# Altium PCB PCB.PcbDoc (part 2 of 3) (continued)
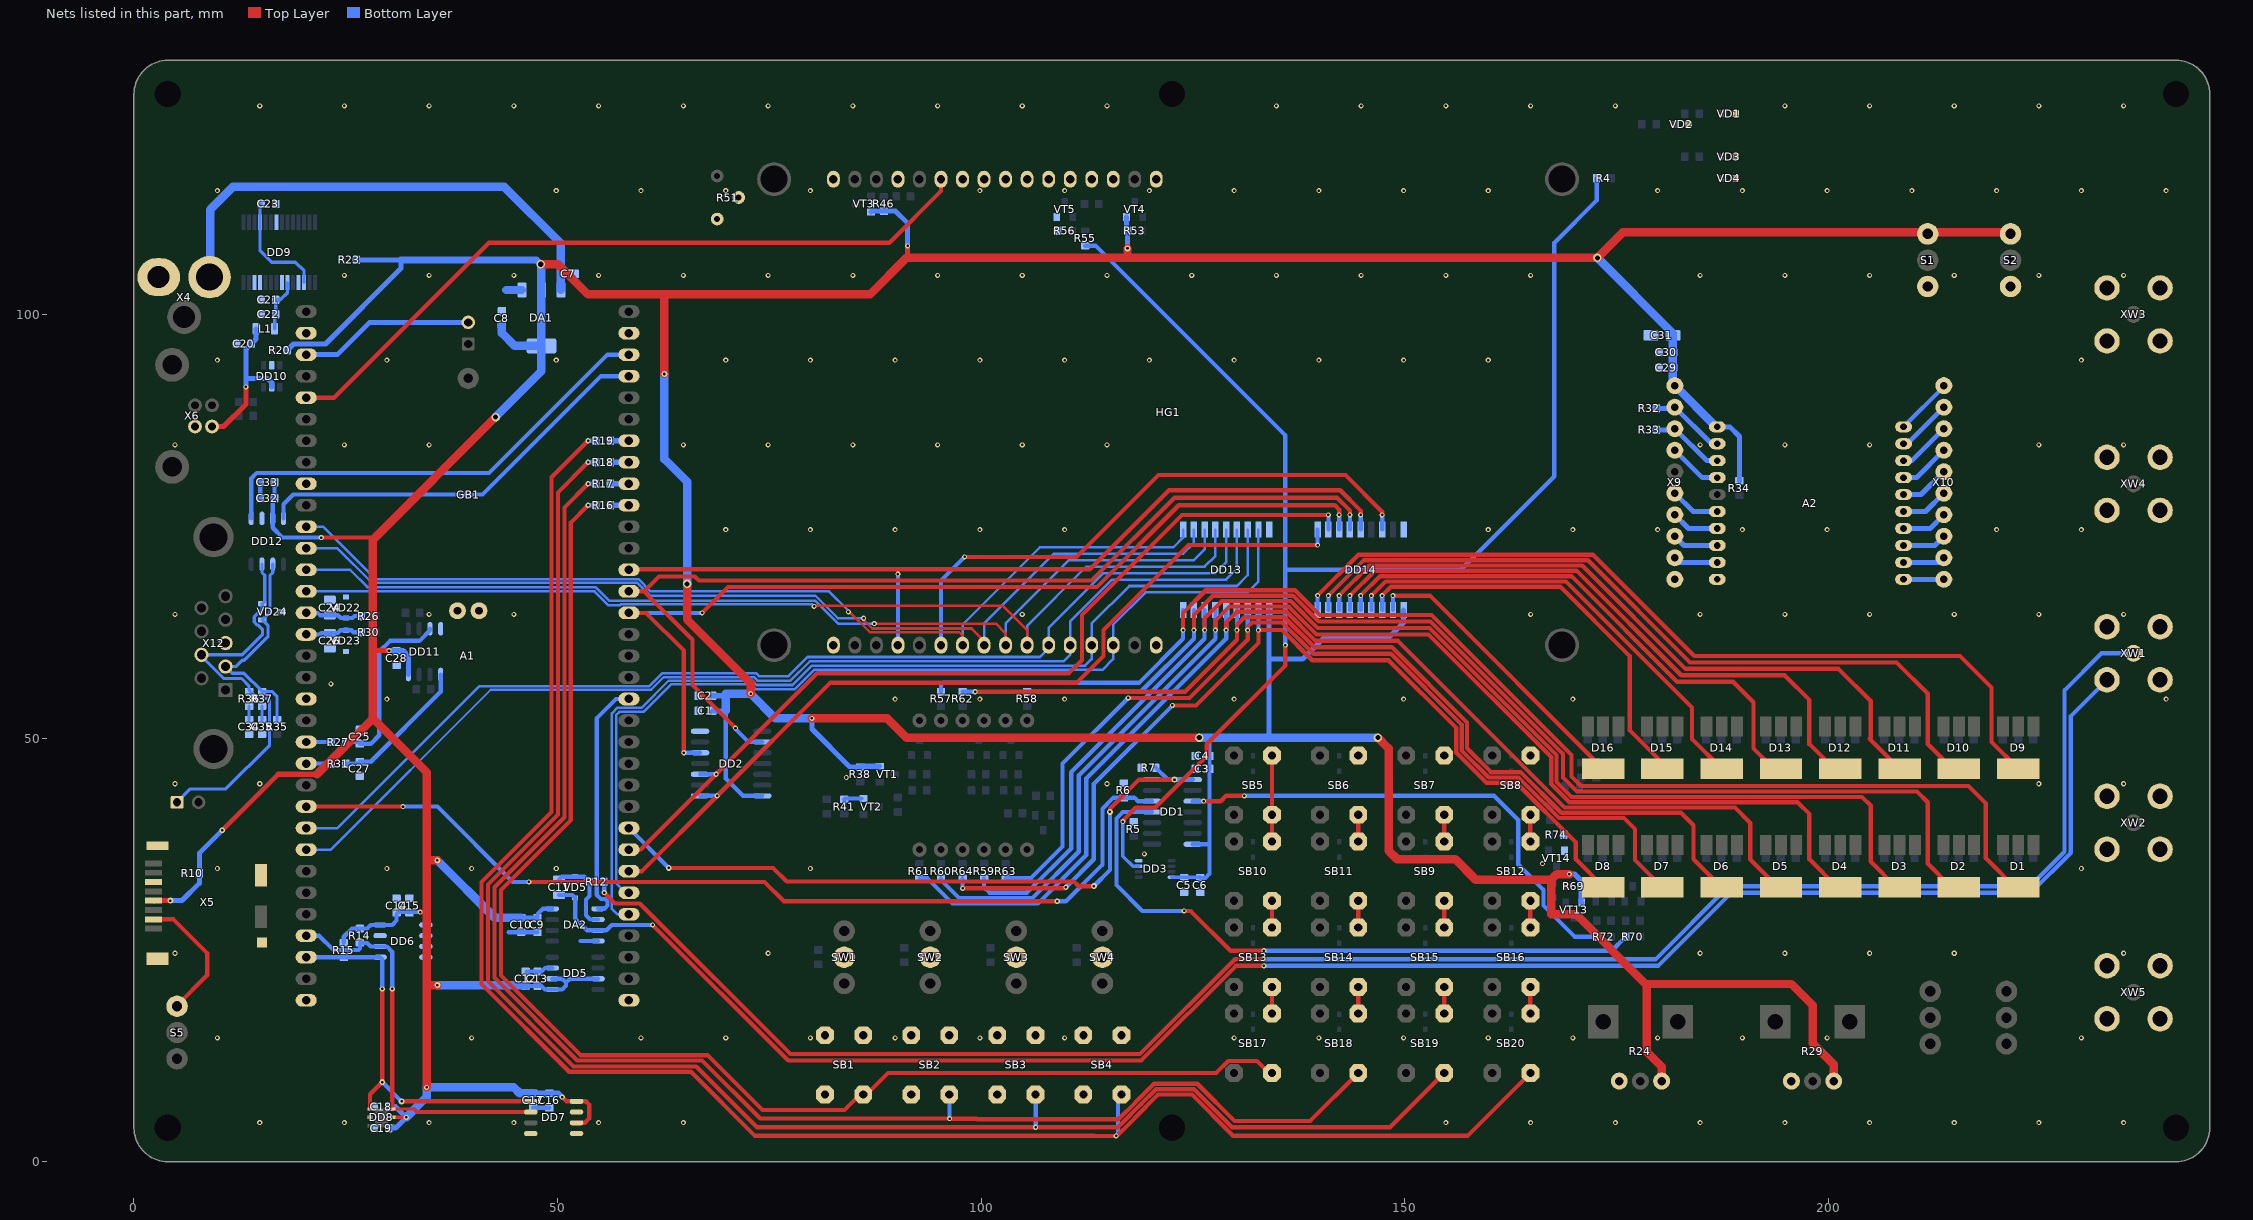
[diagram p2: the nets of this part, all layers, seen from the top]
## Nets (pads, with @x,y where several pads share a name; then routed paths per layer and width w, separated by ;. In a path a pad name is that pad's centre, name@x,y a point inside that pad or via, vN(x,y) a via of type N, cw(c..) or ccw(c..) an arc to the next point about the centre after c; other vN are vias at no path point)
+3.3V: A2.1 C1.1 C2.1 C3.1 C4.1 C5.1 C6.1 C8.1 C9.1 C10.1 C12.1 C13.1 C14.1 C15.1 C16.1 C17.1 C18.1 C19.1 C28.1 C29.1 C30.1 C31.1 C32.2 C33.2 DA1.2 DA2.8 DD1.14 DD2.14 DD3.8 DD5.3 DD5.5 DD5.6 DD6.8 DD7.6 DD7.8 DD8.5 DD11.8 DD12.3 DD13.10 DD14.10 R10.1 R14.2 R15.2 R20.2 R23.2 R24.CW R29.CW R34.2 R38.2 R46.2 R53.2 R69.2 S1.3 S2.3 VT1.2 VT3.2 VT4.2 VT13.2 X5.4 X9.1 | length 850
  Top Layer w0.4: DD8.5@30.556,5.22 v1(32.131,5.22)
  Top Layer w0.5: v1(22.098,73.66) 27.94,73.66 28.194,73.406 ; v1(50.546,7.62) 51.041,7.125 DD7.8@52.23,7.125 53.327,7.125 53.721,6.731 53.721,5.093 53.213,4.585 DD7.6@52.23,4.585
  Top Layer w0.6: X5.4@2.3,30.8 2.366,30.734 2.493,30.861 2.544,30.81 v2(4.293,30.81) ; v2(10.414,39.116) 17.018,45.72 21.59,45.72 ; 28.194,60.325 v1(30.099,60.325) ; v1(33.782,29.464) 34.29,29.464 34.544,29.21 ; 91.186,106.68 91.313,106.807 v1(91.313,108.077)
  Top Layer w1: 21.59,45.72 28.194,52.324 ; v1(34.544,8.763) 34.544,20.828 ; v2(35.814,20.828) 34.544,20.828 ; v2(35.814,35.56) 34.671,35.56 34.544,35.433 ; v3(42.672,87.884) 28.194,73.406 28.194,60.325 28.194,52.324 ; v3(48.006,105.918) 50.038,105.918 53.594,102.362 62.738,102.362 ; v2(62.611,92.964) 62.611,102.235 62.738,102.362 ; v3(65.278,68.199) 65.278,64.008 72.771,56.515 v1(72.771,55.245) ; v1(80.01,52.324) 88.9,52.324 91.186,50.038 v3(125.73,50.038) ; v2(117.26,107.784) 117.26,106.846 117.094,106.68 ; v3(146.812,50.038) 148.082,48.768 148.082,36.703 149.098,35.687 155.956,35.687 158.369,33.274 167.259,33.274 ; v1(169.418,33.938) 167.923,33.938 167.259,33.274 ; R24.CW@180.3,9.51 180.3,11.216 178.562,12.954 178.562,20.97 ; R29.CW@200.62,9.51 200.62,11.47 198.12,13.97 198.12,18.47 195.62,20.97 178.562,20.97 ; S2.3@221.488,109.601 221.412,109.677 175.717,109.677 v3(172.72,106.68) 117.094,106.68 ; 28.194,52.324 34.544,45.974 34.544,35.433 ; 34.544,20.828 34.544,29.21 34.544,35.433 ; 62.738,102.362 86.868,102.362 91.186,106.68 117.094,106.68 ; 167.259,33.274 167.259,29.21 170.18,29.21 178.42,20.97 178.562,20.97
  Bottom Layer w0.4: DD3.8@122.473,33.569 C6.1@125.777,33.569 ; C3.1@126.961,46.228 C3.1@126.961,46.355 C4.1@126.961,47.879 126.961,49.999 127,50.038
  Bottom Layer w0.5: C33.2@16.59,80.206 C32.2@16.59,78.301 16.375,78.086 DD12.3@16.375,75.921 16.375,74.811 17.526,73.66 v1(22.098,73.66) ; R15.2@24.765,25.83 24.765,26.543 25.742,27.52 R14.2@26.67,27.52 27.52,27.52 27.94,27.94 DD6.8@29.05,27.94 30.48,27.94 30.988,28.448 C14.1@30.988,29.122 ; C14.1@30.988,29.21 31.242,29.464 v1(33.782,29.464) ; C10.1@45.72,28.79 C9.1@47.625,28.79 47.625,29.21 48.26,29.845 DA2.8@49.37,29.845 ; C12.1@46.355,20.74 C13.1@47.625,20.74 48.094,20.74 48.514,20.32 DD5.5@49.37,20.32 50.546,20.32 51,20.774 51,21.136 ; DD5.6@49.37,21.59 50.546,21.59 51,21.136 ; DD5.3@54.77,21.59 51.454,21.59 51,21.136 ; 69.85,53.213 69.85,45.212 71.882,43.18 DD2.14@74.155,43.18 ; DD1.14@124.955,37.465 126.955,37.465 ; C6.1@125.777,33.569 C6.1@125.857,33.489 126.453,33.489 126.955,33.991 126.955,37.465 ; 126.955,45.847 126.955,37.465
  Bottom Layer w0.6: v2(4.293,30.81) 5.664,30.81 7.708,32.854 R10.1@7.708,34.036 7.708,36.41 v2(10.414,39.116) ; R20.2@18.065,95.75 18.835,96.52 22.606,96.52 31.496,105.41 31.496,106.426 R23.2@26.25,106.426 ; C19.1@30.06,3.95 30.861,3.95 v1(32.131,5.22) 30.861,6.49 C18.1@30.06,6.49 ; v1(30.099,60.325) 31.75,60.325 32.385,59.69 DD11.8@32.385,57.498 ; C17.1@47.125,8.07 C16.1@49.03,8.07 50.096,8.07 v1(50.546,7.62) ; v3(48.006,105.918) 48.18,105.918 v3@48.093,105.831 ; C1.1@68.287,53.213 69.85,53.213 ; C2.1@68.287,54.991 69.596,54.991 69.85,55.245 ; v1(80.01,52.324) 80.01,51.054 84.494,46.57 R38.2@85.725,46.57 85.825,46.67 VT1.2@88.015,46.67 ; VT3.2@86.991,112.08 87.091,112.18 R46.2@88.519,112.18 89.877,112.18 91.313,110.744 v1(91.313,108.077) ; VT4.2@117.16,111.51 117.16,109.955 R53.2@117.26,109.855 v2(117.26,107.784) ; 133.985,50.038 133.985,59.309 ; DD13.10@133.985,65.1 133.985,59.309 ; DD14.10@149.86,65.1 149.86,63.627 148.209,61.976 140.589,61.976 137.922,59.309 133.985,59.309 ; v1(169.418,33.938) 170.024,33.938 170.776,33.186 R69.2@170.776,32.512 170.776,30.703 VT13.2@170.876,30.603 ; X9.1@181.64,91.818 X9.1@181.866,91.592 ; A2.1@186.726,86.732 A2.1@186.866,86.732 188.35,86.732 189.484,85.598 R34.2@189.484,80.352
  Bottom Layer w0.8: 31.496,106.426 47.498,106.426 v3(48.006,105.918)
  Bottom Layer w1: v1(32.131,5.22) 34.544,7.633 v1(34.544,8.763) 44.831,8.763 45.524,8.07 C17.1@47.125,8.07 ; v2(35.814,20.828) 46.267,20.828 C12.1@46.355,20.74 ; v2(35.814,35.56) 42.584,28.79 C10.1@45.72,28.79 ; v3(42.672,87.884) 48.093,93.305 DA1.2@48.093,96.281 ; C8.1@43.434,98.718 43.434,97.79 44.943,96.281 DA1.2@48.093,96.281 ; v3@48.093,105.831 DA1.2@48.093,102.881 DA1.2@48.093,96.281 ; v2(62.611,92.964) 62.611,82.931 65.278,80.264 v3(65.278,68.199) ; 69.85,53.213 69.85,55.245 v1@72.517,55.245 ; v1(72.771,55.245) 75.692,52.324 v1(80.01,52.324) ; v3(125.73,50.038) 127,50.038 133.985,50.038 v3(146.812,50.038) ; v3(172.72,106.68) 181.64,97.76 C31.1@181.64,97.536 X9.1@181.64,91.818 ; X9.1@181.866,91.592 A2.1@186.726,86.732
+5V: C7.1 DA1.3 X4.1 | length 58.7
  Bottom Layer w1: X4.1@9,104.394 9,112.378 11.684,115.062 43.688,115.062 50.393,108.357 C7.1@50.393,104.775 DA1.3@50.393,102.881
A0: A1.P2_13 DD14.5 HG1.4 | length 102.5
  Top Layer w0.5: A1.P2_13@58.42,69.85 58.492,69.922 90.17,69.922 90.17,69.917 ; v1(90.17,69.342) 90.17,69.917 ; v1(144.78,76.327) 144.78,76.835 142.367,79.248 122.174,79.248 112.843,69.917 90.17,69.917
  Bottom Layer w0.5: HG1.4@90.17,60.96 v1(90.17,69.342) ; DD14.5@144.78,74.6 v1(144.78,76.327)
ADC_IN0: A1.P1_15 C24.1 R26.2 VD22.K | length 6.9
  Bottom Layer w0.5: A1.P1_15@20.32,64.77 21.717,64.77 21.982,64.505 C24.1@23.114,64.505 24.054,64.505 24.404,64.155 VD22.K@25.019,64.155 25.801,64.155 26.035,64.389 R26.2@26.836,64.389
ADC_IN1: A1.P1_16 C26.1 R30.2 VD23.K | length 6.8
  Bottom Layer w0.5: A1.P1_16@20.32,62.23 21.971,62.23 22.109,62.368 C26.1@23.114,62.368 24.014,62.368 24.364,62.718 VD23.K@25.019,62.718 25.674,62.718 25.908,62.484 R30.2@26.836,62.484
AVCC: A1.P2_19 DA2.1 | length 28.9
  Bottom Layer w0.5: DA2.1@54.77,29.845 55.499,29.845 55.875,30.221 55.875,30.739 55.626,30.988 55.118,30.988 54.61,31.496 54.61,52.324 56.896,54.61 A1.P2_19@58.42,54.61
b_w: DD1.10 R72.1 | length 59
  Top Layer w0.5: v1(126.238,42.545) 128.27,42.545 128.905,43.18 v1(131.064,43.18)
  Bottom Layer w0.5: DD1.10@124.955,42.545 v1(126.238,42.545) ; v1(131.064,43.18) 160.528,43.18 163.385,40.323 163.385,35.065 166.37,32.08 166.37,30.226 170.063,26.533 R72.1@172.626,26.533
BLUE: A1.P2_25 DD1.8 R7.2 | length 81.6
  Top Layer w0.5: v2(63.119,34.671) 75.438,34.671 77.049,33.06 110.958,33.06 111.506,32.512 v2(113.284,32.512) ; v2(115.189,41.275) 115.189,41.656 118.618,45.085 v2(122.809,45.085)
  Bottom Layer w0.5: A1.P2_25@58.42,39.37 v2(63.119,34.671) ; v2(113.284,32.512) 115.189,34.417 v2(115.189,41.275) ; R7.2@120.611,46.482 122.008,45.085 v2(122.809,45.085)
  Bottom Layer w0.6: v2(122.809,45.085) DD1.8@124.955,45.085
C0: A1.P2_10 R16.1 | length 1.9
  Bottom Layer w0.6: R16.1@56.476,77.47 A1.P2_10@58.42,77.47
C1: A1.P2_9 R17.1 | length 1.9
  Bottom Layer w0.6: R17.1@56.476,80.01 A1.P2_9@58.42,80.01
C2: A1.P2_8 R18.1 | length 1.9
  Bottom Layer w0.6: R18.1@56.476,82.55 A1.P2_8@58.42,82.55
C3: A1.P2_7 R19.1 | length 1.9
  Bottom Layer w0.6: R19.1@56.476,85.09 A1.P2_7@58.42,85.09
CAN_N: DD12.6 R35.2 R37.2 VD24.1 X12.2 | length 26.1
  Bottom Layer w0.381: DD12.6@16.375,70.521 16.375,69.531 16.058,69.213 16.058,64.858 VD24.1@15.15,63.95 15.811,63.288 15.811,61.967 13.03,59.185 12.766,59.185 12.016,58.435 X12.2@10.81,58.435 11.587,57.658 12.963,57.658 15.122,55.499 16.256,55.499 16.891,54.864 R35.2@16.891,52.158
CAN_P: DD12.7 R36.2 VD24.2 X11.1 X12.7 | length 47.2
  Bottom Layer w0.381: X11.1@5.08,42.418 6.662,44 10.853,44 16.004,49.151 16.004,54.419 15.729,54.694 14.548,54.694 13.686,55.557 13.589,55.654 13.589,56.134 12.7,57.023 10.581,57.023 7.97,59.634 X12.7@7.97,59.82 12.766,59.82 15.176,62.23 15.176,62.805 14.647,63.334 14.563,63.334 14.2,63.698 14.2,64.3 15.15,65.25 VD24.2@15.15,65.85 15.423,66.123 15.423,69.213 15.105,69.531 DD12.7@15.105,70.521
CAN_RX: A1.P2_4 DD12.4 | length 48.7
  Bottom Layer w0.5: DD12.4@17.645,75.921 17.645,77.589 18.796,78.74 41.148,78.74 55.118,92.71 A1.P2_4@58.42,92.71
CAN_TX: A1.P2_3 DD12.1 | length 55.4
  Bottom Layer w0.5: DD12.1@13.835,75.921 13.835,80.637 14.478,81.28 41.91,81.28 55.88,95.25 A1.P2_3@58.42,95.25
CP0: R16.2 SB1.1 SB5.1 SB10.1 SB13.1 SB17.1 | length 178
  Top Layer w0.5: v1(53.594,77.47) 51.562,75.438 51.562,40.328 43.307,32.073 43.307,21.971 52.705,12.573 67.691,12.573 74.168,6.096 83.857,6.096 85.691,7.93 SB1.1@86.07,7.93 86.491,8.351 86.87,8.351 88.989,10.47 127.725,10.47 129.15,11.895 132.526,11.895 133.951,10.47 SB17.1@134.33,10.47 ; SB17.1@134.33,17.47 SB13.1@134.33,20.63 ; SB13.1@134.33,27.63 SB10.1@134.33,30.79 ; SB10.1@134.33,37.79 SB5.1@134.33,40.95 SB5.1@134.33,47.95
  Bottom Layer w0.5: v1(53.594,77.47) R16.2@54.522,77.47 R16.2@54.776,77.47
CP1: R17.2 SB2.1 SB6.1 SB11.1 SB14.1 SB18.1 | length 191.2
  Top Layer w0.5: v1(53.594,80.01) 50.8,77.216 50.8,40.644 42.545,32.389 42.545,21.717 52.324,11.938 67.056,11.938 73.914,5.08 v1(96.266,5.08) 96.285,5.061 99.467,5.061 99.528,5 116.2,5 118.248,7.048 118.248,7.066 120.356,9.175 120.375,9.175 120.4,9.2 125.5,9.2 129.9,4.8 138.82,4.8 SB18.1@144.49,10.47 ; SB18.1@144.49,17.47 SB14.1@144.49,20.63 ; SB14.1@144.49,27.63 SB11.1@144.49,30.79 ; SB11.1@144.49,37.79 SB6.1@144.49,40.95
  Bottom Layer w0.5: v1(53.594,80.01) R17.2@54.522,80.01 R17.2@54.776,80.01 ; SB2.1@96.23,7.93 96.266,7.894 v1(96.266,5.08)
CP2: R18.2 SB3.1 SB7.1 SB9.1 SB15.1 SB19.1 | length 207.1
  Top Layer w0.5: v1(53.594,82.55) 50.038,78.994 50.038,40.959 41.783,32.704 41.783,21.336 51.879,11.24 66.357,11.24 73.533,4.064 v1(106.426,4.064) 116.129,4.064 116.44,4.375 116.459,4.375 118.873,6.789 118.873,6.808 120.615,8.55 125.118,8.55 129.604,4.064 148.244,4.064 SB19.1@154.65,10.47 ; SB19.1@154.65,17.47 SB15.1@154.65,20.63 ; SB15.1@154.65,27.63 SB9.1@154.65,30.79 ; SB9.1@154.65,37.79 SB7.1@154.65,40.95
  Bottom Layer w0.5: v1(53.594,82.55) R18.2@54.522,82.55 R18.2@54.776,82.55 ; SB3.1@106.39,7.93 106.426,7.894 v1(106.426,4.064)
CP3: R19.2 SB4.1 SB8.1 SB12.1 SB16.1 SB20.1 | length 223.6
  Top Layer w0.5: v1(53.594,85.09) 49.276,80.772 49.276,41.275 41.021,33.02 41.021,20.955 51.371,10.604 65.722,10.604 73.279,3.048 113.337,3.048 113.348,3.037 115.987,3.037 116.699,3.75 116.718,3.75 119.507,6.539 119.507,6.558 120.874,7.925 120.893,7.925 ; 120.79,7.823 120.893,7.925 ; SB20.1@164.81,10.47 157.388,3.048 129.736,3.048 124.859,7.925 122.322,7.925 121.578,7.925 120.893,7.925 ; SB20.1@164.81,17.47 SB16.1@164.81,20.63 ; SB16.1@164.81,27.63 SB12.1@164.81,30.79 ; SB12.1@164.81,37.79 SB8.1@164.81,40.95
  Bottom Layer w0.5: v1(53.594,85.09) R19.2@54.522,85.09 R19.2@54.776,85.09 ; v1(115.916,3.037) 115.916,3.064 116.129,3.277 116.129,7.509 SB4.1@116.55,7.93
CS_SD: S5.3 X5.2 | length 15.6
  Top Layer w0.5: X5.2@2.3,28.6 4.674,28.6 8.636,24.638 8.636,21.996 S5.3@5.08,18.44
D1: A1.P2_27 DD2.1 DD14.1 | length 102.9
  Top Layer w0.5: A1.P2_27@58.42,34.29 59.944,34.29 v1(68.834,43.18) 82.169,56.515 111.252,56.515 114.427,59.69 114.427,62.738 124.46,72.771 v1(139.7,72.771)
  Bottom Layer w0.5: DD2.1@66.815,43.18 v1(68.834,43.18) ; v1(139.7,72.771) DD14.1@139.7,74.6
D2: A1.P2_26 DD2.3 DD14.2 | length 105.7
  Top Layer w0.5: A1.P2_26@58.42,36.83 59.817,36.83 v1(68.707,45.72) 80.645,57.658 110.363,57.658 111.887,59.182 111.887,64.516 123.698,76.327 v1(140.97,76.327)
  Bottom Layer w0.5: DD2.3@66.815,45.72 v1(68.707,45.72) ; DD14.2@140.97,74.6 v1(140.97,76.327)
D3: A1.P2_15 DD2.5 DD14.3 | length 114
  Top Layer w0.5: A1.P2_15@58.42,64.77 60.451,64.77 64.897,60.324 v1(64.897,48.26) ; v1(67.056,64.77) 70.104,67.818 113.66,67.818 123.312,77.47 141.732,77.47 142.24,76.962 v1(142.24,76.327)
  Bottom Layer w0.5: A1.P2_15@58.42,64.77 v1(67.056,64.77) ; v1(64.897,48.26) DD2.5@66.815,48.26 ; DD14.3@142.24,74.6 v1(142.24,76.327)
D4: A1.P2_14 DD2.9 DD14.4 | length 117.5
  Top Layer w0.5: A1.P2_14@58.42,67.31 60.198,67.31 ; v1(70.993,51.181) 65.913,56.261 65.913,61.595 60.198,67.31 ; v1(143.51,76.327) 143.51,76.835 141.986,78.359 122.809,78.359 113.03,68.58 66.675,68.58 66.181,69.074 61.962,69.074 60.198,67.31
  Bottom Layer w0.5: v1(70.993,51.181) 70.993,51.054 72.517,49.53 DD2.9@74.155,49.53 ; DD14.4@143.51,74.6 v1(143.51,76.327)
DAC_OUT1: A1.P1_21 R27.2 | length 3
  Bottom Layer w0.5: A1.P1_21@20.32,49.53 R27.2@23.28,49.53
DAC_OUT2: A1.P1_22 R31.2 | length 3
  Bottom Layer w0.5: A1.P1_22@20.32,46.99 R31.2@23.28,46.99
DB0: A1.P1_11 DD13.1 HG1.7 | length 117.7
  Top Layer w0.3: v1(84.328,64.897) 84.455,64.897 86.868,62.484 97.409,62.484 97.79,62.103 HG1.7@97.79,60.96
  Bottom Layer w0.3: A1.P1_11@20.32,74.93 22.352,74.93 28.531,68.751 57.31,68.751 57.319,68.76 59.521,68.76 60.971,67.31 82.042,67.31 84.3,65.052 84.3,64.925 v1(84.328,64.897) ; HG1.7@97.79,60.96 97.79,63.373 106.934,72.517 122.682,72.517 123.825,73.66 DD13.1@123.825,74.6
DB1: A1.P1_12 DD13.2 HG1.8 | length 118
  Top Layer w0.3: v1(86.106,64.135) 86.106,64.059 86.055,64.008 87.138,62.925 98.873,62.925 100.33,61.468 HG1.8@100.33,60.96
  Bottom Layer w0.3: A1.P1_12@20.32,72.39 24.003,72.39 28.067,68.326 57.486,68.326 57.495,68.335 59.345,68.335 60.878,66.802 80.408,66.802 83.075,64.135 v1(86.106,64.135) ; HG1.8@100.33,60.96 100.33,63.5 108.585,71.755 123.825,71.755 125.095,73.025 DD13.2@125.095,74.6
DB2: A1.P1_13 DD13.3 HG1.9 | length 119.1
  Top Layer w0.3: v1(87.376,63.5) 101.727,63.5 102.87,62.357 HG1.9@102.87,60.96
  Bottom Layer w0.3: A1.P1_13@20.32,69.85 25.527,69.85 27.559,67.818 54.483,67.818 56.081,66.22 80.389,66.22 83.109,63.5 v1(87.376,63.5) ; HG1.9@102.87,60.96 102.87,63.5 110.363,70.993 125.095,70.993 126.365,72.263 DD13.3@126.365,74.6
DB3: A1.P1_14 DD13.4 HG1.10 | length 120
  Top Layer w0.3: v1(80.264,65.532) 80.391,65.532 80.458,65.599 102.549,65.599 105.41,62.738 HG1.10@105.41,60.96
  Bottom Layer w0.3: A1.P1_14@20.32,67.31 54.356,67.31 56.007,65.659 57.359,65.659 57.495,65.795 80.001,65.795 v1(80.264,65.532) ; HG1.10@105.41,60.96 105.41,63.246 112.395,70.231 126.365,70.231 127.635,71.501 DD13.4@127.635,74.6
DB4: A1.P1_25 DD13.5 HG1.11 | length 127.1
  Bottom Layer w0.3: A1.P1_25@20.32,39.37 24.003,39.37 40.758,56.125 60.824,56.125 62.357,57.658 73.406,57.658 73.754,57.31 77.249,57.31 79.502,59.563 106.934,59.563 107.95,60.579 HG1.11@107.95,60.96 107.95,62.992 114.427,69.469 127.635,69.469 128.905,70.739 DD13.5@128.905,74.6
DB5: A1.P1_26 DD13.6 HG1.12 | length 130.9
  Bottom Layer w0.3: A1.P1_26@20.32,36.83 23.241,36.83 42.111,55.7 61.034,55.7 62.528,57.194 73.167,57.194 73.592,56.769 77.47,56.769 79.756,59.055 109.728,59.055 110.49,59.817 HG1.12@110.49,60.96 110.49,63.754 115.443,68.707 128.905,68.707 130.175,69.977 DD13.6@130.175,74.6
DB6: A1.P2_29 DD13.7 HG1.13 | length 115.4
  Bottom Layer w0.3: A1.P2_29@58.42,29.21 57.023,29.21 56.4,29.833 56.4,52.9 57.085,53.585 59.935,53.585 63.119,56.769 72.991,56.769 73.499,56.261 77.724,56.261 80.01,58.547 112.268,58.547 113.03,59.309 HG1.13@113.03,60.96 113.03,63.5 117.475,67.945 130.175,67.945 131.445,69.215 DD13.7@131.445,74.6
DB7: A1.P2_28 DD13.8 HG1.14 | length 113.2
  Bottom Layer w0.3: A1.P2_28@58.42,31.75 58.05,31.75 56.895,32.905 56.895,52.695 57.295,53.095 60.144,53.095 63.393,56.344 72.815,56.344 73.406,55.753 77.978,55.753 80.264,58.039 114.3,58.039 115.57,59.309 HG1.14@115.57,60.96 115.57,63.373 119.38,67.183 131.445,67.183 132.715,68.453 DD13.8@132.715,74.6
E: A1.P1_5 DD14.7 HG1.6 | length 155.2
  Top Layer w0.5: A1.P1_5@20.32,90.17 23.622,90.17 41.91,108.458 89.154,108.458 95.25,114.554 HG1.6@95.25,115.96 ; v1(98.044,71.374) 111.252,71.374 120.922,81.044 142.984,81.044 147.32,76.708 v1(147.32,76.327)
  Bottom Layer w0.5: HG1.6@95.25,60.96 95.25,68.58 v1(98.044,71.374) ; DD14.7@147.32,74.6 v1(147.32,76.327)
extADCin: R12.1 XW1.Sig | length 220.4
  Top Layer w0.5: v1(55.499,31.75) 56.769,30.48 59.69,30.48 77.47,12.7 118.75,12.7 129.926,23.876 v1(133.35,23.876)
  Bottom Layer w0.5: R12.1@55.46,33.02 55.499,32.981 v1(55.499,31.75) ; v1(133.35,23.876) 179.578,23.876 188.214,32.512 223.774,32.512 227.838,36.576 227.838,55.626 232.212,60 XW1.Sig@236,60
g_w: DD1.4 R70.1 | length 76.4
  Top Layer w0.5: v1(123.952,29.591) 124.714,29.591 129.413,24.892 v1(133.35,24.892)
  Bottom Layer w0.5: DD1.4@120.155,41.275 116.713,41.275 115.951,40.513 115.951,32.639 118.999,29.591 v1(123.952,29.591) ; v1(133.35,24.892) 174.414,24.892 R70.1@176.055,26.533
GND: A1.P1_2 A1.P1_9 A1.P1_19 A1.P1_33 A1.P2_2 A1.P2_33 A2.10 C1.2 C2.2 C3.2 C4.2 C5.2 C6.2 C7.2 C8.2 C9.2 C10.2 C12.2 C13.2 C14.2 C15.2 C16.2 C17.2 C18.2 C19.2 C20.2 C21.2 C22.2 C23.2 C24.2 C25.2 C26.2 C27.2 C28.2 C29.2 C30.2 C31.2 C32.1 C33.1 C34.2 C35.2 DA1.1 DA2.4 DD1.7 DD2.7 DD3.4 DD5.7 DD6.1 DD6.2 DD6.3 DD6.4 DD6.7 DD7.4 DD7.5 DD7.7 DD8.2 DD9.7 DD9.18 DD9.21 DD9.25 DD9.26 DD10.2 DD11.4 DD12.2 DD13.9 DD14.9 GB1.GND HG1.1 HG1.16 R5.1 R6.1 R7.1 R24.CCW R29.CCW R41.1 R51.CW R51.W R56.1 R74.1 S1.1 S2.1 SB1.2 SB2.2 SB3.2 SB4.2 SW1.2 SW2.2 SW3.2 SW4.2 VD1.K VD2.K VD3.K VD4.K VD22.A VD23.A VD24.3 VT2.2 VT5.2 VT14.2 X4.2 X5.6 X5.9 X5.10 X5.11 X5.13 X6.4 X9.10 X12.3 XW2.Case XW3.Case XW4.Case XW5.Case | length 16.4
  Bottom Layer w0.5: C32.1@14.89,78.301 C33.1@14.89,80.206 ; 44.235,27.09 C10.2@45.72,27.09 C9.2@47.625,27.09 ; C12.2@46.355,22.44 C13.2@47.625,22.44 48.094,22.44 48.514,22.86 DD5.7@49.37,22.86 ; C17.2@47.125,6.37 C16.2@49.03,6.37 ; 52.705,26.035 DA2.4@54.77,26.035 ; R41.1@83.82,42.76 83.92,42.86 VT2.2@85.845,42.86
  Bottom Layer w1: 43.953,102.881 DA1.1@45.793,102.881
  other v1: 14.84,4.6 24.84,4.6 34.84,4.6 44.84,4.6 54.84,4.6 64.84,4.6 154.84,4.6 164.84,4.6 174.84,4.6 184.84,4.6 194.84,4.6 204.84,4.6 214.84,4.6 224.84,4.6 234.84,4.6 9.84,14.6 39.84,14.6 59.84,14.6 69.84,14.6 79.84,14.6 89.84,14.6 99.84,14.6 109.84,14.6 129.84,14.6 139.84,14.6 149.84,14.6 159.84,14.6 169.84,14.6 179.84,14.6 189.84,14.6 199.84,14.6 229.84,14.6 4.84,24.6 74.84,24.6 184.84,24.6 194.84,24.6 204.84,24.6 214.84,24.6 234.84,24.6 9.84,34.6 29.84,34.6 39.84,34.6 49.84,34.6 79.84,34.6 229.84,34.6 166.243,35.179 119.253,36.322 4.84,44.6 14.84,44.6 114.84,44.6 224.84,44.6 234.84,44.6 84.074,45.339 29.84,54.6 89.84,54.6 99.84,54.6 109.84,54.6 129.84,54.6 149.84,54.6 169.84,54.6 239.84,54.6 23.241,56.388 4.84,64.6 34.84,64.6 44.84,64.6 104.84,64.6 164.84,64.6 184.84,64.6 194.84,64.6 204.84,64.6 214.84,64.6 224.84,64.6 234.84,64.6 69.84,74.6 79.84,74.6 89.84,74.6 99.84,74.6 109.84,74.6 159.84,74.6 169.84,74.6 179.84,74.6 189.84,74.6 199.84,74.6 219.84,74.6 229.84,74.6 4.84,84.6 24.84,84.6 34.84,84.6 64.84,84.6 74.84,84.6 84.84,84.6 94.84,84.6 104.84,84.6 114.84,84.6 184.84,84.6 194.84,84.6 204.84,84.6 224.84,84.6 234.84,84.6 9.84,94.6 29.84,94.6 49.84,94.6 69.84,94.6 79.84,94.6 89.84,94.6 99.84,94.6 109.84,94.6 119.84,94.6 129.84,94.6 139.84,94.6 149.84,94.6 159.84,94.6 229.84,94.6 24.84,104.6 34.84,104.6 44.84,104.6 54.84,104.6 64.84,104.6 74.84,104.6 84.84,104.6 94.84,104.6 104.84,104.6 114.84,104.6 124.84,104.6 134.84,104.6 144.84,104.6 154.84,104.6 164.84,104.6 184.84,104.6 194.84,104.6 204.84,104.6 214.84,104.6 224.84,104.6 234.84,104.6 9.84,114.6 49.84,114.6 59.84,114.6 69.84,114.6 79.84,114.6 99.84,114.6 109.84,114.6 119.84,114.6 129.84,114.6 139.84,114.6 149.84,114.6 159.84,114.6 179.84,114.6 189.84,114.6 199.84,114.6 209.84,114.6 219.84,114.6 229.84,114.6 239.84,114.6 14.84,124.6 24.84,124.6 34.84,124.6 44.84,124.6 54.84,124.6 64.84,124.6 74.84,124.6 84.84,124.6 94.84,124.6 104.84,124.6 114.84,124.6 134.84,124.6 144.84,124.6 154.84,124.6 164.84,124.6 174.84,124.6 194.84,124.6 204.84,124.6 214.84,124.6 224.84,124.6 234.84,124.6
GREEN: A1.P1_24 DD1.5 R6.2 | length 113.6
  Top Layer w0.5: A1.P1_24@20.32,41.91 v1(31.75,41.91) ; v1(46.609,33.02) 74.422,33.02 76.708,30.734 v1(108.966,30.734)
  Bottom Layer w0.5: v1(31.75,41.91) 35.814,41.91 44.704,33.02 v1(46.609,33.02) ; v1(108.966,30.734) 109.982,30.734 114.3,35.052 114.3,41.656 115.609,42.965 R6.2@116.84,42.965 118.071,42.965 118.491,42.545 DD1.5@120.155,42.545
I2C_SCL: A1.P1_30 DD6.6 DD7.2 DD8.6 R14.1 | length 47
  Top Layer w0.4: DD8.6@30.556,6.211 33.032,6.211
  Top Layer w0.5: v1(30.48,20.4) 30.48,6.287 DD8.6@30.556,6.211 ; 33.032,6.211 33.388,5.855 DD7.2@46.83,5.855
  Bottom Layer w0.5: A1.P1_30@20.32,26.67 21.844,26.67 23.534,24.98 26.504,24.98 26.67,25.146 R14.1@26.67,25.82 27.52,25.82 27.94,25.4 DD6.6@29.05,25.4 29.845,25.4 30.48,24.765 v1(30.48,20.4)
I2C_SDA: A1.P1_31 DD6.5 DD7.1 DD8.1 R15.1 | length 45.8
  Top Layer w0.5: DD8.1@27.864,6.211 27.864,7.962 v2(29.3,9.398) v1(29.3,20.4) ; v2(31.586,7.112) 31.599,7.125 DD7.1@46.83,7.125
  Bottom Layer w0.5: A1.P1_31@20.32,24.13 R15.1@24.765,24.13 DD6.5@29.05,24.13 29.3,23.88 v1(29.3,20.4) ; v2(29.3,9.398) v2(31.586,7.112)
LCD: DD3.3 R4.1 R55.1 | length 167.8
  Top Layer w0.5: v1(116.713,40.132) 116.713,40.259 118.237,41.783 120.532,41.783 126.619,47.87 126.619,49.276 135.89,58.547 v1(135.89,60.96)
  Bottom Layer w0.4: v1(116.713,40.132) 116.713,36.068 117.912,34.869 DD3.3@118.573,34.869
  Bottom Layer w0.5: R55.1@112.268,108.116 113.499,108.116 135.89,85.725 135.89,69.85 ; v1(135.89,60.96) 135.89,69.85 ; R4.1@172.632,116.078 172.632,113.45 167.64,108.458 167.64,80.899 156.591,69.85 135.89,69.85
led1: D1.K DD13.18 R57.1 | length 156.5
  Top Layer w0.5: v1(123.825,62.738) 123.825,64.77 126.492,67.437 137.033,67.437 139.954,64.516 153.157,64.516 169.672,48.001 169.672,45.466 170.815,44.323 216.535,44.323 218.567,42.291 218.567,35.814 222.011,32.37 D1.K@222.392,32.37
  Bottom Layer w0.5: R57.1@95.25,55.46 95.25,56.261 95.504,56.515 118.618,56.515 123.825,61.722 v1(123.825,62.738) DD13.18@123.825,65.1
led2: D2.K DD13.17 R58.1 | length 138.8
  Top Layer w0.5: v1(125.095,62.738) 125.095,64.516 127.381,66.802 136.779,66.802 139.827,63.754 153.035,63.754 168.656,48.133 168.656,45.339 170.317,43.678 210.449,43.678 211.709,42.418 211.709,35.179 214.518,32.37 D2.K@215.392,32.37
  Bottom Layer w0.5: R58.1@105.41,55.46 118.833,55.46 125.095,61.722 v1(125.095,62.738) DD13.17@125.095,65.1
led3: D3.K DD13.16 R59.1 | length 152.4
  Top Layer w0.5: v1(126.365,62.738) 126.365,64.135 128.397,66.167 136.53,66.167 139.705,62.992 152.908,62.992 167.894,48.006 167.894,44.831 169.672,43.053 203.962,43.053 204.978,42.037 204.978,35.433 208.041,32.37 D3.K@208.392,32.37
  Bottom Layer w0.5: R59.1@100.33,33.44 100.33,32.385 100.965,31.75 105.41,31.75 110.617,36.957 110.617,45.974 126.365,61.722 v1(126.365,62.738) DD13.16@126.365,65.1
Led4: D4.K DD13.15 R60.1 | length 149.1
  Top Layer w0.5: v1(127.635,62.738) 127.635,63.881 129.286,65.532 136.281,65.532 139.583,62.23 152.786,62.23 167.269,47.747 167.269,44.572 169.413,42.428 196.332,42.428 197.739,41.021 197.739,35.687 201.056,32.37 D4.K@201.392,32.37
  Bottom Layer w0.5: R60.1@95.25,33.44 95.25,33.25 97.385,31.115 106.045,31.115 111.506,36.576 111.506,45.593 127.635,61.722 v1(127.635,62.738) DD13.15@127.635,65.1
led5: D5.K DD13.14 R61.1 | length 141.9
  Top Layer w0.5: v1(128.905,62.738) 128.905,63.627 130.175,64.897 136.017,64.897 139.446,61.468 149.187,61.468 168.852,41.803 188.956,41.803 190.754,40.005 190.754,35.687 194.071,32.37 D5.K@194.392,32.37
  Bottom Layer w0.5: R61.1@92.71,33.44 93.66,33.44 96.62,30.48 106.68,30.48 112.395,36.195 112.395,45.212 128.905,61.722 v1(128.905,62.738) DD13.14@128.905,65.1
led6: D6.K DD13.13 R62.1 | length 114
  Top Layer w0.5: v1(99.275,55.46) 124.04,55.46 130.175,61.595 v1(130.175,62.738) 130.175,63.373 131.064,64.262 135.763,64.262 139.319,60.706 148.463,60.706 157.325,51.844 157.325,48.796 160.147,45.974 163.659,45.974 168.455,41.178 182.596,41.178 184.075,39.699 184.075,35.687 D6.K@187.392,32.37
  Bottom Layer w0.5: R62.1@97.79,55.46 v1(99.275,55.46) ; v1(130.175,62.738) DD13.13@130.175,65.1
led7: D7.K DD13.12 R63.1 | length 115.9
  Top Layer w0.5: v1(117.348,54.737) 124.587,54.737 131.445,61.595 v1(131.445,62.738) 131.445,63.119 131.953,63.627 135.514,63.627 139.197,59.944 148.341,59.944 156.7,51.585 156.7,48.537 159.898,45.339 163.41,45.339 168.196,40.553 175.855,40.553 177.165,39.243 177.165,35.597 D7.K@180.392,32.37
  Bottom Layer w0.5: R63.1@102.87,33.44 105.83,33.44 109.601,37.211 109.601,46.99 v1(117.348,54.737) ; v1(131.445,62.738) DD13.12@131.445,65.1
LED8: D8.K DD13.11 R64.1 | length 113.4
  Top Layer w0.5: v1(97.79,32.258) 109.855,32.258 v1(109.982,32.385) ; v1(122.555,53.848) 125.349,53.848 132.715,61.214 v1(132.715,62.738) 135.519,62.738 139.075,59.182 148.082,59.182 156.075,51.189 156.075,48.268 159.629,44.714 163.151,44.714 170.18,37.685 170.18,35.687 173.392,32.475 D8.K@173.392,32.37
  Bottom Layer w0.5: v1(97.79,32.258) R64.1@97.79,33.44 ; v1(109.982,32.385) 113.284,35.687 113.284,44.577 v1(122.555,53.848) ; v1(132.715,62.738) DD13.11@132.715,65.1
LED9: D9.K DD14.18 | length 100.6
  Top Layer w0.5: v1(139.7,66.802) 144.526,71.628 172.212,71.628 184.15,59.69 215.519,59.69 219.232,55.977 219.232,49.53 D9.K@222.392,46.37
  Bottom Layer w0.5: DD14.18@139.7,65.1 v1(139.7,66.802)
LED10: D10.K DD14.17 | length 91.6
  Top Layer w0.5: v1(140.97,66.802) 145.161,70.993 171.577,70.993 183.642,58.928 208.026,58.928 211.709,55.245 211.709,49.276 214.615,46.37 D10.K@215.392,46.37
  Bottom Layer w0.5: DD14.17@140.97,65.1 v1(140.97,66.802)
LED11: D11.K DD14.16 | length 82
  Top Layer w0.5: v1(142.24,66.802) 145.796,70.358 170.942,70.358 183.134,58.166 201.168,58.166 204.978,54.356 204.978,50.038 204.851,49.911 D11.K@208.392,46.37
  Bottom Layer w0.5: DD14.16@142.24,65.1 v1(142.24,66.802)
LED12: D12.K DD14.15 | length 73.5
  Top Layer w0.5: v1(143.51,66.802) 146.441,69.733 170.297,69.733 182.626,57.404 194.818,57.404 197.739,54.483 197.739,49.276 200.645,46.37 D12.K@201.392,46.37
  Bottom Layer w0.5: DD14.15@143.51,65.1 v1(143.51,66.802)
LED13: D13.K DD14.14 | length 64.9
  Top Layer w0.5: v1(144.78,66.802) 147.086,69.108 169.652,69.108 182.118,56.642 188.722,56.642 191.135,54.229 191.135,48.768 193.533,46.37 D13.K@194.392,46.37
  Bottom Layer w0.5: DD14.14@144.78,65.1 v1(144.78,66.802)
LED14: D14.K DD14.13 | length 55.1
  Top Layer w0.5: v1(146.05,66.802) 147.731,68.483 169.007,68.483 183.896,53.594 183.896,49.866 D14.K@187.392,46.37
  Bottom Layer w0.5: DD14.13@146.05,65.1 v1(146.05,66.802)
LED15: D15.K DD14.12 | length 49.7
  Top Layer w0.5: v1(147.32,66.802) 148.376,67.858 168.362,67.858 176.53,59.69 176.53,50.927 180.392,47.065 D15.K@180.392,46.37
  Bottom Layer w0.5: DD14.12@147.32,65.1 v1(147.32,66.802)
LED16: D16.K DD14.11 | length 35
  Top Layer w0.5: v1(148.59,66.802) 152.96,66.802 D16.K@173.392,46.37
  Bottom Layer w0.5: DD14.11@148.59,65.1 v1(148.59,66.802)
NetA1_P1_3: A1.P1_3 X3.2 | length 20.7
  Bottom Layer w0.6: A1.P1_3@20.32,95.25 24.003,95.25 27.813,99.06 X3.2@39.45,99.06
NetA2_2: A2.2 R32.2 X9.2 | length 9.1
  Bottom Layer w0.6: R32.2@179.666,88.9 181.714,88.9 X9.2@181.866,89.052 186.186,84.732 A2.2@186.866,84.732
NetA2_3: A2.3 R33.2 X9.3 | length 8.8
  Bottom Layer w0.6: R33.2@179.666,86.36 181.714,86.36 X9.3@181.866,86.512 185.646,82.732 A2.3@186.866,82.732
NetA2_4: A2.4 X9.4 | length 6.3
  Bottom Layer w0.6: X9.4@181.866,83.972 185.106,80.732 A2.4@186.866,80.732
NetA2_6: A2.6 X9.6 | length 5.9
  Bottom Layer w0.6: X9.6@181.866,78.892 184.026,76.732 A2.6@186.866,76.732
NetA2_7: A2.7 X9.7 | length 5.7
  Bottom Layer w0.6: X9.7@181.866,76.352 183.486,74.732 A2.7@186.866,74.732
NetA2_8: A2.8 X9.8 | length 5.4
  Bottom Layer w0.6: X9.8@181.866,73.812 182.946,72.732 A2.8@186.866,72.732
NetA2_9: A2.9 X9.9 | length 5.2
  Bottom Layer w0.6: X9.9@181.866,71.272 182.406,70.732 A2.9@186.866,70.732
NetA2_11: A2.11 X10.10 | length 4.7
  Bottom Layer w0.6: A2.11@208.866,68.732 X10.10@213.616,68.732
NetA2_12: A2.12 X10.9 | length 5
  Bottom Layer w0.6: A2.12@208.866,70.732 213.076,70.732 X10.9@213.616,71.272
NetA2_13: A2.13 X10.8 | length 5.2
  Bottom Layer w0.6: A2.13@208.866,72.732 212.536,72.732 X10.8@213.616,73.812
NetA2_14: A2.14 X10.7 | length 5.4
  Bottom Layer w0.6: A2.14@208.866,74.732 211.996,74.732 X10.7@213.616,76.352
NetA2_15: A2.15 X10.6 | length 5.6
  Bottom Layer w0.6: A2.15@208.866,76.732 211.456,76.732 X10.6@213.616,78.892
NetA2_16: A2.16 X10.5 | length 5.9
  Bottom Layer w0.6: A2.16@208.866,78.732 210.916,78.732 X10.5@213.616,81.432
NetA2_17: A2.17 X10.4 | length 6.1
  Bottom Layer w0.6: A2.17@208.866,80.732 210.376,80.732 X10.4@213.616,83.972
NetA2_18: A2.18 X10.3 | length 6.3
  Bottom Layer w0.6: A2.18@208.866,82.732 209.836,82.732 X10.3@213.616,86.512
NetA2_19: A2.19 X10.2 | length 6.5
  Bottom Layer w0.6: A2.19@208.866,84.732 209.296,84.732 X10.2@213.616,89.052
NetA2_20: A2.20 X10.1 | length 6.8
  Bottom Layer w0.5: A2.20@208.866,86.732 213.616,91.482 X10.1@213.616,91.592
NetC11_1: C11.1 DA2.2 R12.2 VD5.K | length 9.7
  Bottom Layer w0.5: C11.1@50.165,33.285 50.515,33.635 VD5.K@52.07,33.635 53.145,33.635 R12.2@53.76,33.02 53.76,31.351 53.34,30.931 53.34,29.083 53.848,28.575 DA2.2@54.77,28.575
NetC11_2: C11.2 DA2.3 VD5.A XW1.Case | length 220.4
  Top Layer w0.5: v1(61.214,27.94) 77.216,11.938 118.872,11.938 130.048,23.114 v1(133.35,23.114)
  Bottom Layer w0.5: C11.2@50.165,31.485 51.72,31.485 VD5.A@52.07,31.135 52.07,28.702 53.467,27.305 DA2.3@54.77,27.305 55.753,27.305 56.388,27.94 v1(61.214,27.94) ; v1(133.35,23.114) 179.894,23.114 188.53,31.75 223.896,31.75 228.6,36.454 228.6,52.6 XW1.Case@232.56,56.56
NetC20_1: C20.1 DD10.5 L1.1 X6.1 | length 18.3
  Top Layer w0.6: X6.1@9.21,86.77 10.57,86.77 13.208,89.408 v1(13.208,91.44)
  Bottom Layer w0.6: v1(13.208,91.44) 13.208,92.456 ; L1.1@14.394,98.298 14.394,97.11 C20.1@13.804,96.52 13.208,95.924 13.208,92.456 ; DD10.5@16.256,91.41 16.256,91.948 15.748,92.456 13.208,92.456
NetC21_1: C21.1 C22.1 DD9.20 L1.2 | length 6.4
  Bottom Layer w0.4: L1.2@16.594,98.298 16.594,99.888 C22.1@16.712,100.006 C21.1@16.712,101.706 17.251,101.706 18.12,102.575 DD9.20@18.12,103.765
NetC23_1: C23.1 DD9.4 DD9.17 | length 13.1
  Bottom Layer w0.4: C23.1@15.025,113.03 14.87,112.875 DD9.4@14.87,110.865 14.87,107.558 16.256,106.172 19.05,106.172 20.07,105.152 DD9.17@20.07,103.765
NetC25_1: C25.1 DD11.3 R27.1 | length 21.5
  Bottom Layer w0.5: R27.1@24.98,49.53 26.455,49.53 C25.1@26.67,49.315 27.94,49.315 28.956,50.331 28.956,60.198 30.226,61.468 33.68,61.468 34.925,62.713 DD11.3@34.925,62.898
NetC27_1: C27.1 DD11.5 R31.1 | length 16.8
  Bottom Layer w0.5: R31.1@24.98,46.99 26.455,46.99 C27.1@26.67,47.205 27.94,47.205 36.195,55.46 DD11.5@36.195,57.498
NetC34_1: C34.1 R36.1 | length 1.6
  Bottom Layer w0.381: C34.1@13.589,52.158 R36.1@13.589,53.76
NetC35_1: C35.1 R37.1 | length 1.6
  Bottom Layer w0.381: C35.1@15.113,52.158 R37.1@15.113,53.76